# KiCad board ZSWatch-panelized.kicad_pcb (continued)
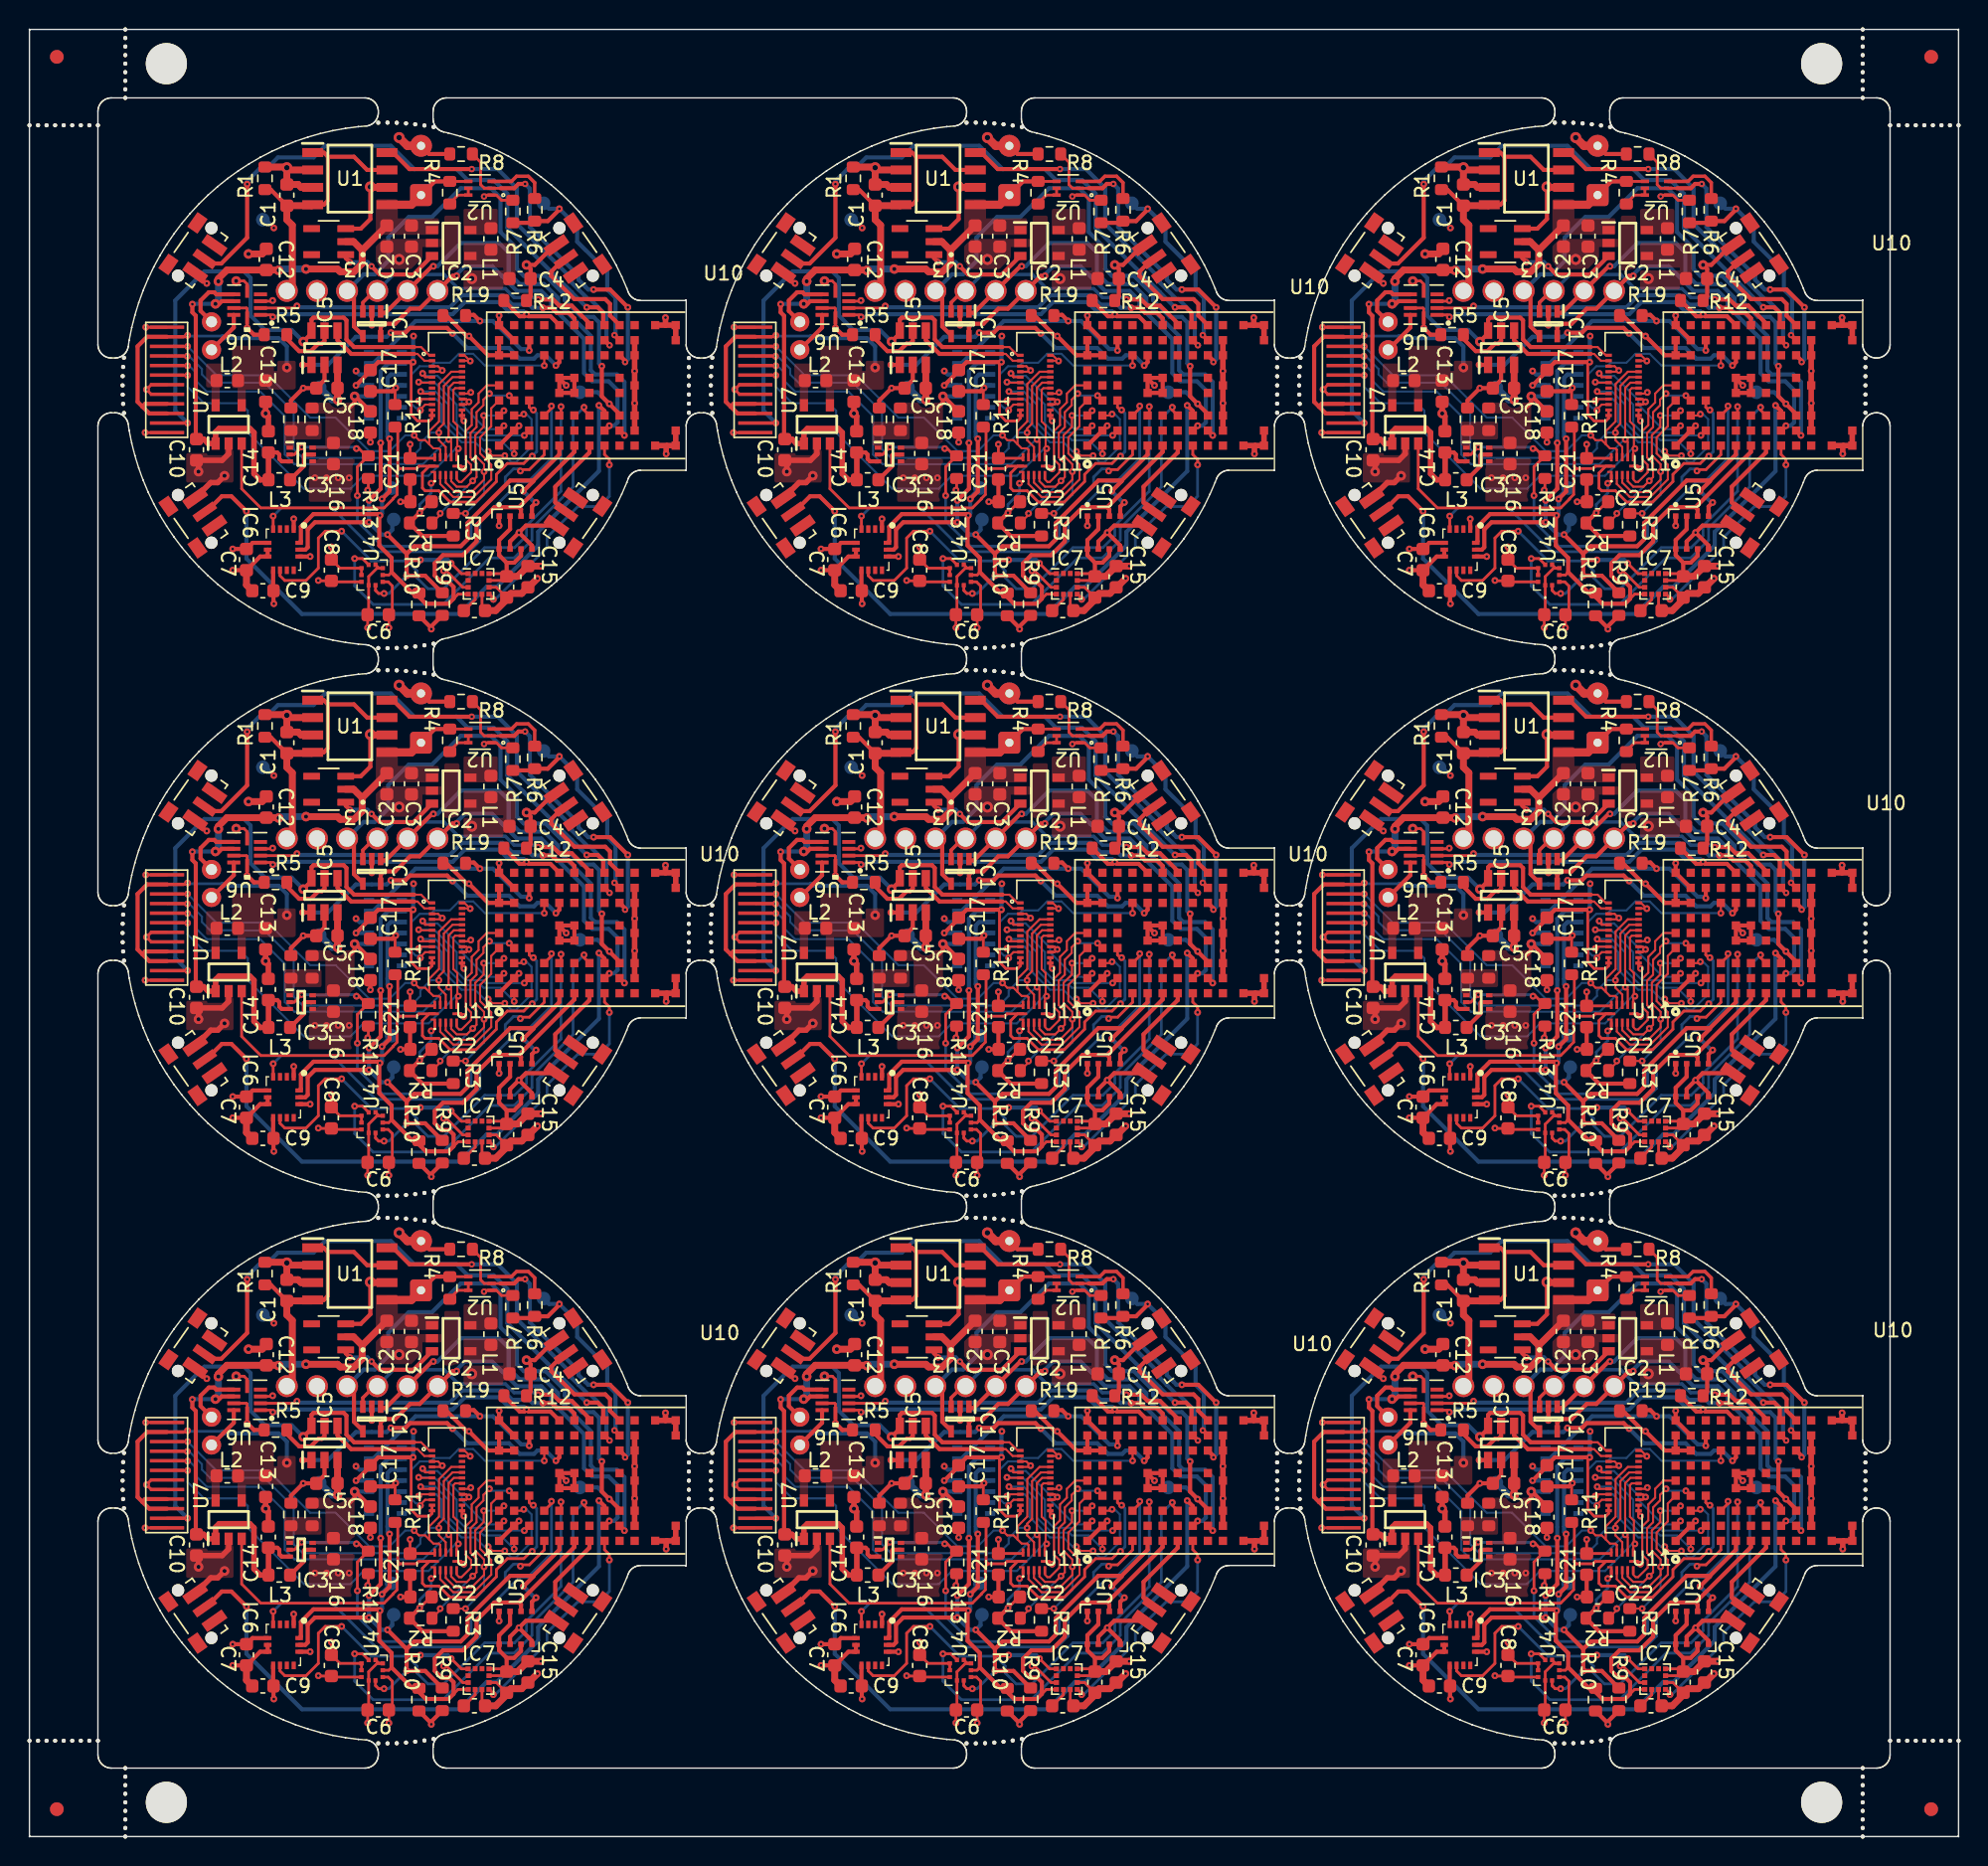
[diagram p0: board, top side]
## Routing (per net, layer and track width the routed paths; a pad name or vN(x,y) marks a point on that pad's centre or on a via; arc(x,y) is an arc through that point) (continued)
Board_7-BMP581_INT: length 30.7
  Top w0.2: v1(66.71,13.35) 67.28,13.35 U4#9.7 ; U10#3.G3 83.46,24.2 v1(83.46,24.4)
  Bottom w0.2: v1(66.71,13.35) 66.71,11.35 68.06,10 73.16,10 76.56,13.4 78.36,13.4 79.66,14.7 79.66,15.58 82.66,18.58 82.66,23.6 v1(83.46,24.4)
Board_7-BTN_1: length 45.4
  Top w0.3: v1(84.55,24.54) 84.95,24.13 U10#3.H3 ; S1.2 55.87,16.77 57.01,17.9 57.71,17.9 v1(58.81,16.8)
  Bottom w0.3: v1(84.55,24.54) 84.55,19.74 80.11,15.3 80.11,14.3 77.11,11.3 76.36,11.3 74.36,9.3 62.86,9.3 58.81,13.35 v1(58.81,16.8)
Board_7-BTN_2: length 8.8
  Top w0.3: U10#3.J9 85.36,31.1 85.36,31.95 85.01,32.3 82.76,32.3 81.06,34 81.06,34.3 81.99,35.23 S2#6.2
Board_7-BTN_3: length 42.5
  Top w0.3: S3#4.2 56.1,34.9 56.97,34.9 58.86,36.79 v1(58.86,40.7) ; v1(83.66,31.7) 84.46,31.7 84.86,31.3 84.86,30.5
  Bottom w0.3: v1(83.66,31.7) 83.65,31.7 82.56,32.79 82.56,32.8 79.06,36.3 79.06,36.31 77.86,37.51 77.86,40 76.86,41 74.96,41 74.16,41.8 71.06,41.8 69.36,43.5 64.56,43.5 63.71,42.65 61.11,42.65 60.26,41.8 59.74,41.8 58.86,40.92 v1(58.86,40.7)
Board_7-BTN_4: length 6.3
  Top w0.3: U10#3.G1 83.85,21.1 81.36,18.6 81.36,17.45 82.04,16.77 S4#6.2
Board_7-CHG: length 25.5
  Top w0.3: U1.8 69.51,43 70.71,41.8 v4(75.26,41.8) ; U10#3.H8 v4(85.33,28.93)
  Bottom w0.3: v4(75.26,41.8) 77.16,41.8 78.56,40.4 78.56,37.8 82.56,33.8 82.56,33.51 83.06,33.01 83.06,33 83.76,32.3 83.91,32.3 85.1,31.11 85.1,29.16 v4(85.33,28.93)
Board_7-DISPLAY_3V3: length 31.5
  Top w0.15: U13#6.24 74.73,28.2 v1(75.15,27.78) 75.13,27.8 U13#6.23 ; v1(75.19,25.49) 75.1,25.4 U13#6.17 ; 74.55,23.55 v1(74.69,23.41) ; U13#6.14 U13#6.13
  Top w0.2: v1(70.76,21.7) C21#5.2 72.48,20.67 U11#6.11 ; U13#6.13 74.55,23.55 ; U12.11 54.41,29.55 v1(54.51,29.65)
  Top w0.3: 51.21,24.45 51.71,23.95 U12.3 ; 51.21,24.45 50.86,24.8 50.86,28.85 51.56,29.55 U12.11 ; 51.21,24.45 51.41,24.65 U12.4
  Top w0.5: v3(65.46,24.95) C5#9.2 IC5#5.3
  Bottom w0.2: v1(54.51,29.65) 54.56,29.6 57.06,29.6
  Bottom w0.3: v3(61.76,27.3) 61.76,28.85 61.16,29.45 57.21,29.45 57.06,29.6
  Bottom w0.5: TP11#6.1 65.06,24.95 v3(65.46,24.95)
Board_7-DISPLAY_BLK: length 22.5
  Top w0.3: IC5#5.1 v1(62.91,27.5) ; v1(69.36,29.85) 70.41,29.85 70.76,30.2 73.46,30.2 v1(73.86,29.8) ; U10#3.E7 81.66,28.2 81.66,27.7 v1(81.41,27.45)
  Bottom w0.3: v1(69.36,29.85) 69.06,29.55 66.81,29.55 64.76,27.5 v1(62.91,27.5) ; v1(73.86,29.8) 74.93,28.73 77.98,28.73 78.76,27.95 79.81,27.95 80.06,28.2 80.66,28.2 v1(81.41,27.45)
Board_7-DISPLAY_CLK: length 11
  Top w0.15: U13#6.8 71.68,25.4 v1(71.53,25.55) ; v1(78.36,21) 78.36,21.6 U10#3.B1
  Bottom w0.15: v1(78.36,21) 77.36,22 76.13,22 75.92,22.2 74.66,22.2 73.56,23.3 73.56,24.6 72.6,25.55 v1(71.53,25.55)
Board_7-DISPLAY_CS: length 15.9
  Top w0.15: v1(79.06,23.9) 78.96,23.8 U10#3.B3 ; U13#6.9 71.52,25 v1(71.39,24.87) ; v1(76.46,21.18) 76.77,20.87 v1(77.67,20.87)
  Bottom w0.15: v1(79.06,23.9) 79.26,23.9 79.63,23.53 79.63,21.53 78.5,20.4 78.14,20.4 v1(77.67,20.87) ; v1(76.46,21.18) 76.18,21.18 75.51,21.85 74.52,21.85 73.06,23.31 73.06,24.6 72.66,25 71.52,25 v1(71.39,24.87)
Board_7-DISPLAY_DATA: length 11.6
  Top w0.15: U13#6.6 71.42,26.2 v1(71.38,26.24) ; v1(79.1,22.35) U10#3.C2
  Bottom w0.15: v1(79.1,22.35) 76.27,22.35 76.07,22.55 74.81,22.55 74.16,23.2 74.16,24.6 72.52,26.24 v1(71.38,26.24)
Board_7-DISPLAY_DC: length 9.3
  Top w0.15: U13#6.5 71.86,26.6 71.85,26.61 71.85,26.7 v1(71.67,26.87) ; v1(77.61,23.05) U10#3.A2
  Bottom w0.15: v1(77.61,23.05) 77.35,22.8 76.31,22.8 74.53,24.58 74.53,24.92 72.76,26.7 71.79,26.7 71.67,26.81 v1(71.67,26.87)
Board_7-DISPLAY_EN: length 40.3
  Top w0.2: v1(79.76,24.2) 79.66,24.2 79.45,24.4 U10#3.C4 ; 69.98,19.92 69.81,19.75 69.81,18.03 69.51,17.73 69.51,17.7 68.86,17.05 59.86,17.05 58.46,18.45 U7.3 ; 69.98,19.92 71.22,19.92 71.4,20.1 U11#6.12 72.16,20.1 71.66,19.6 71.66,18.5 71.86,18.3 72.86,18.3 73.68,17.47 75.56,17.47 77.06,18.97 77.06,19.5 77.86,20.3 79.06,20.3 79.59,20.83 v1(79.67,20.83) ; 69.98,19.92 69.86,20.05 69.86,22.75 R11.1
  Bottom w0.2: v1(79.67,20.83) 80,21.16 80,23.96 v1(79.76,24.2)
Board_7-DISPLAY_RST: length 15.5
  Top w0.15: v1(80.56,27.45) 80.56,28.2 U10#3.D7 ; v1(71.51,24.18) 71.6,24.27 71.6,24.34 71.86,24.6 U13#6.10
  Bottom w0.15: v1(71.51,24.18) 71.35,24.34 71.17,24.34 70.86,24.65 70.86,26.8 71.46,27.4 72.26,27.4 72.51,27.65 73.66,27.65 74.31,28.3 75.36,28.3 76.22,27.45 v1(80.56,27.45)
Board_7-DRV_VIB_EN: length 25.2
  Top w0.2: U6#8.1 60.58,31.15 v1(60.73,31)
  Top w0.3: R12#4.1 78.76,31.05 79.11,31.05 v1(79.26,31.2) 79.41,31.05 81,31.05 U10#3.E9
  Bottom w0.3: v1(60.73,31) 61.06,31 61.26,31.2 73.86,31.2 74.75,32.09 77.26,32.09 77.94,31.4 79.06,31.4 v1(79.26,31.2)
Board_7-DRV_VIB_PWM: length 24.6
  Top w0.2: U6#8.2 62.35,31.65 v1(62.5,31.8)
  Top w0.3: U10#3.F9 82.75,30.9 82.36,31.3 81.46,31.3 81.1,31.66 v1(80.46,31.66)
  Bottom w0.3: v1(62.5,31.8) 62.6,31.7 73.66,31.7 74.54,32.59 77.52,32.59 78.21,31.9 79.46,31.9 79.69,31.66 v1(80.46,31.66)
Board_7-GND: length 117.3
  Top w0.15: U13#6.15 74.86,24.6 v1(75.06,24.8) 74.86,25 U13#6.16 ; U13#6.3 72.8,27.4 v1(73.11,27.09) 73.01,27 U13#6.4
  Top w0.2: R7#3.2 77.43,39.52 77.06,39.9 U2.1 76.26,39.9 v4(76.16,39.8) ; C19#3.1 77.06,11.25 76.56,11.25 ; U11#6.6 74.48,20.1 v1(74.68,19.9) ; U6#8.5 58.86,33.4 58.63,33.63 v3(58.06,33.63) ; v1(65.01,14.2) C8#6.1 65.63,12.65 U4#9.8 U4#9.9 ; U6#8.8 58.81,31.65 58.86,31.6 U6#8.10 v1(58.86,30.2) ; R11.2 69.66,25.77 v1(69.71,25.82) ; C11#2.2 76.01,9.77 76.01,10.75 ; U12.5 51.86,25.35 v1(51.51,25.7) 51.86,26.05 U12.6 ; U4#9.3 69.16,11.65 69.46,11.35 69.46,9.5 C6#6.2 v1(69.21,8.3) ; v1(67.66,18.35) 67.71,18.4 R13.2 ; U12.12 v1(51.46,30.25) ; v1(60.72,32.2) 60.67,32.15 U6#8.3 ; U12.1 v1(51.41,22.55)
  Top w0.3: v1(58.86,30.2) 59.36,29.7 R5#4.1 ; R18#7.1 62.06,24.9 v1(62.96,25.8) C5#9.1 64.51,26.4 IC5#5.2 ; U5#4.1 v1(77.26,15.75) ; U10#3.B8 U10#3.A9 77.25,31.1 v1(77.26,31.1) ; R12#4.2 79.56,32.5 C4#2.2 79.56,34.5 v3(79.26,34.8) 79.86,34.8 81.3,36.24 S2#6.3 ; v1(70.06,17.5) C22#7.1 70.76,17.52 C21#5.1 ; U10#3.E5 U10#3.E4 U10#3.F4 U10#3.F5 U10#3.E5 ; U10#3.E5 81.65,26.5 v1(82.16,26) ; v1(55.91,33.45) 55.84,33.45 S3#4.3 ; C17#3.1 69.46,25.57 v1(69.71,25.82) ; 67.96,31.3 v1(67.96,30.4) ; v1(57.81,12.5) C7#5.2 59.81,13.5 IC6#9.7 IC6#9.6 ; v1(78.71,15.25) 79.22,15.76 S4#6.1 ; v1(78.71,15.25) 78.06,14.6 U5#4.7 ; v1(78.71,15.25) 79.66,14.3 U5#4.5 ; IC6#9.1 v1(62.26,16.25) ; C18#5.2 v1(67.86,21.85) ; v2(67.86,40.5) 67.86,38.15 67.16,37.45 U3#2.3 ; v1(78.71,23.05) U10#3.B2 U10#3.A1 ; BT1#8.2 72.16,42.9 R8#3.1
  Top w0.4: 89.41,30.4 v1(89.41,30.95) ; 89.41,30.4 U10#3.L9 ; 89.41,30.4 U10#3.M9 U10#3.M8 ; U10#3.L1 89.51,21.6 ; 89.51,21.6 89.46,21.55 v1(89.46,21) ; 89.51,21.6 U10#3.M1 U10#3.M2 ; v3(57.21,19.4) 56.71,18.9 56.19,18.9 S1.1 ; v3(55.31,19.7) 55.31,20.52 57.03,20.52 57.51,21 U7.2 ; U10#3.K2 U10#3.K3 87.15,24.7 v1(87.16,24.7) 87.15,24.7 U10#3.K5 v1(87.15,27.05) U10#3.K7 U10#3.K8 ; C14#3.2 60.41,23.75 v3(60.21,23.95) C13#6.2
  Top w0.5: v2(61.76,41.9) C1.2 62.58,40.67 62.79,40.46 U1.3 ; v2(61.76,41.9) 61.92,41.73 U1.2 ; v2(61.76,41.9) 61.71,41.95 R1#5.2 ; C9#7.1 58.81,11.42 C7#5.2 ; v3(58.96,35.6) 59.96,35.6 60.26,35.9 C12#9.1 ; U1.6 67.89,40.46 v2(67.86,40.5) ; v1(80.06,11.9) 79.41,11.25 C15#5.2 78.91,10.8 78.11,10.8 C19#3.1 77.81,10.35 77.01,9.55 C11#2.2
  Top w0.6: v2(69.96,44.1) 70.56,43.5 BT1#8.2
  Bottom w0.3: v1(69.71,25.82) 69.89,26 IC4.4 ; v1(66.81,27.05) 67.06,26.8 IC4.12
  vias: v1(63.81,19.25) v1(64.66,19.25) v1(65.51,19.25) v1(66.31,19.25) v2(69.96,35.2)
Board_7-INT1_LIS: length 31.2
  Top w0.2: v1(81.08,24.49) 81.08,24.32 U10#3.D3 ; IC6#9.4 v1(60.76,16.45)
  Bottom w0.2: v1(60.76,16.45) 61.36,17.05 65.06,17.05 68.26,13.85 75.06,13.85 75.86,14.65 75.86,16.05 78.76,18.95 79.36,18.95 81.08,20.67 v1(81.08,24.49)
Board_7-INT2_LIS: length 36.1
  Top w0.2: IC6#9.9 61.26,12.1 61.61,11.75 63.16,11.75 64.06,12.65 64.06,14.85 64.56,15.35 v1(65.76,15.35) ; U10#3.E3 81.78,23.92 v1(81.78,24.45)
  Bottom w0.2: v1(65.76,15.35) 67.93,13.17 70.53,13.17 71.26,12.45 71.26,11.95 72.06,11.15 73.21,11.15 76.21,14.15 78.38,14.15 79.26,15.02 79.26,15.75 81.78,18.27 v1(81.78,24.45)
Board_7-LEDK1: length 37.5
  Top w0.15: 71.06,28.8 71.56,28.8 72.16,28.2 U13#6.1
  Top w0.2: U12.2 v1(54.51,23.25)
  Top w0.3: 71.06,28.8 66.66,28.8 66.11,29.35 66.11,30.75 65.91,30.95 63.71,30.95 63.56,30.8 IC5#5.6 63.56,29.8 v3(62.96,29.2)
  Bottom w0.3: v1(54.51,23.25) 53.61,24.15 53.61,32.2 55.73,34.33 58.63,34.33 59.11,33.85 59.11,31.1 60.16,30.05 62.11,30.05 v3(62.96,29.2)
Board_7-LEDK2: length 8.2
  Top w0.15: U13#6.2 71.8,27.8 71.3,28.3 71.06,28.3
  Top w0.3: 71.06,28.3 66.46,28.3 65.46,29.3 IC5#5.4
Board_7-LIS2MDL_INT: length 16.4
  Top w0.2: 76.56,10.75 76.84,10.47 v1(76.84,10.37) ; U10#3.H1 84.95,20.95 85.31,20.6 v1(85.31,20.2)
  Bottom w0.2: v1(76.84,10.37) 76.98,10.37 80.76,14.15 80.76,14.9 83.01,17.15 84.56,17.15 85.31,17.9 v1(85.31,20.2)
Board_7-MAX30_INT: length 15.9
  Top w0.3: 74.81,31.15 75.41,31.15 v1(75.86,30.7) ; v1(79.46,28.55) 79.46,29.3 U10#3.C8
  Bottom w0.3: IC4.13 68.06,27.6 71.16,30.7 v1(75.86,30.7) 76.81,30.7 78.86,28.65 79.36,28.65 v1(79.46,28.55)
Board_7-RESET_N: length 42.1
  Top w0.3: v1(84.76,27.4) 84.76,25.2 v1(85.31,24.65) 86.05,23.9 U10#3.J3 ; 66.66,32.4 66.66,30.3 67.31,29.65
  Bottom w0.3: v1(84.76,27.4) 84.56,27.6 84.56,30.6 84.16,31 83.27,31 82.06,32.21 82.06,32.59 80.65,34 79.06,34 78.56,34.5 78.56,36 77.36,37.2 77.36,39.7 76.66,40.4 74.46,40.4 72.36,38.3 70.66,38.3 69.16,36.8 69.16,35.09 68.18,34.11 67.37,34.11 J2#4.4 ; TP12#4.1 84.46,25.5 v1(85.31,24.65)
Board_7-SCL_ANNA: length 56.6
  Top w0.2: v1(68.86,10.8) 68.46,10.8 68.23,11.02 U4#9.2 ; 74.96,12.25 74.51,12.25 v1(73.76,13)
  Top w0.3: 79.76,19.05 79.76,19 v1(79.03,18.27) ; 79.76,19.05 81.65,20.95 U10#3.E1 ; 79.76,19.05 78.06,19.05 74.96,15.95 74.96,14.76 74.45,14.25 71.06,14.25 70.51,13.7 ; U5#4.4 79.66,17.15 v1(79.96,17.45) ; R9#3.1 71.86,12.1 v1(70.51,12.1) 70.51,13.25 ; 70.51,13.25 71.51,13.25 v1(71.51,13.25) ; 70.51,13.25 70.51,13.7 ; v1(68.61,21.8) 68.61,18.45 v1(67.76,17.6) ; 70.51,13.7 v1(69.11,15.1) ; v1(67.76,16) 63.81,16 63.28,15.47 63.28,14.17 63.11,14 IC6#9.13
  Bottom w0.2: v1(68.86,10.8) 69.21,10.8 v1(70.51,12.1)
  Bottom w0.3: v1(79.03,18.27) 79.86,17.45 v1(79.96,17.45) ; v1(71.51,13.25) 73.51,13.25 v1(73.76,13) ; 69.46,16.2 69.46,15.45 v1(69.11,15.1) 68.66,15.1 v1(67.76,16) v1(67.76,17.6) ; v1(68.61,21.8) 68.61,27.05 69.16,27.6 IC4.2
Board_7-SDA_ANNA: length 51.2
  Top w0.2: U4#9.4 69.21,12.15 69.41,12.35 ; 73.93,10.42 74.26,10.75 74.96,10.75
  Top w0.3: 78.71,17.1 76.91,17.1 75.61,15.8 75.61,14.6 74.61,13.6 73.16,13.6 72.56,13 72.56,12.11 73.06,11.6 73.61,11.6 73.93,11.28 73.93,10.42 73.56,10.05 71.91,10.05 71.41,10.55 R10#2.1 70.93,10.82 69.41,12.35 69.41,13.4 68.51,14.3 68.51,16.45 v1(68.56,16.5) 68.46,16.6 63.7,16.6 62.78,15.68 62.78,14.62 IC6#9.14 ; 78.71,17.1 82.75,21.15 U10#3.F1 ; 78.71,17.1 78.86,16.95 U5#4.3 ; v1(68.71,17.7) 69.26,18.25 v1(69.26,22.1)
  Bottom w0.3: IC4.3 69.36,26.8 69.11,26.55 69.11,22.25 v1(69.26,22.1) ; TP10#5.1 68.71,17.8 v1(68.71,17.7) 68.71,16.65 v1(68.56,16.5)
Board_7-SWDCLK: length 31.1
  Top w0.3: v1(86.41,22.35) U10#3.J2 ; v1(72.46,34.7) 72.36,34.7 J2#4.2 68.96,31.3 68.61,31.3
  Bottom w0.3: v1(86.41,22.35) 86.41,26.25 85.86,26.8 84.26,26.8 83.96,27.1 83.96,29.61 81.56,32.01 81.56,32.39 80.54,33.4 78.76,33.4 77.96,34.2 77.96,35.7 77.26,36.4 74.46,36.4 72.76,34.7 v1(72.46,34.7)
Board_7-SWDIO: length 28.9
  Top w0.3: v1(85.31,23.05) U10#3.H2 ; 68.61,29.5 68.61,30.25 68.86,30.5 69.66,30.5 70.76,31.6 71.46,31.6 J2#4.1 73.86,34 v1(74.16,34)
  Bottom w0.3: v1(85.31,23.05) 85.66,23.05 85.91,23.3 85.91,25.65 85.26,26.3 84.05,26.3 83.46,26.89 83.46,29.4 81.06,31.8 81.06,32.18 80.34,32.9 78.55,32.9 77.46,33.99 77.46,34 76.76,34.7 74.76,34.7 74.16,34.1 v1(74.16,34)
Board_7-TOUCH_INT: length 12
  Top w0.15: U11#6.2 72.96,18.8 73.91,17.85 75.4,17.85 76.68,19.13 76.68,20.21 75.87,21.02 75.87,22.2 76.68,23.02 76.68,24.32 U10#3.A4
Board_7-TOUCH_RST: length 9.5
  Top w0.15: U10#3.A5 76.36,26 75.76,25.4 75.76,24.76 75.26,24.26 75.26,23.1 74.82,22.66 74.82,20.59 75.21,20.2 75.21,19.64 74.51,18.95 74.34,18.95 74.16,19.13
Board_7-TOUCH_SCL: length 15.9
  Top w0.15: U11#6.3 73.36,18.9 74.06,18.2 75.25,18.2 76.16,19.11 v1(76.16,19.7) 76.16,20.24 75.52,20.88 75.52,22.36 76.13,22.97 v1(76.13,23.8) ; v1(74.81,16.65) R3#5.1 ; v1(77.61,24.15) U10#3.A3
  Bottom w0.15: v1(76.16,19.7) 76.16,18 v1(74.81,16.65) ; v1(77.61,24.15) U10#3.A3 v1(76.13,23.8)
Board_7-TOUCH_SDA: length 15.9
  Top w0.15: U11#6.4 73.76,19 74.16,18.6 74.91,18.6 74.91,18.6 v1(75.33,19.03) 75.33,19.03 75.61,19.3 75.61,20.29 75.17,20.73 75.17,22.51 75.61,22.95 75.61,24.04 76.11,24.55 76.11,24.96 v1(76.55,25.4) ; v1(78,25.25) U10#3.B4 ; v1(72.96,16.65) 72.96,16.55 R2#3.1
  Bottom w0.15: v1(78,25.25) 76.7,25.25 v1(76.55,25.4) ; v1(72.96,16.65) 72.96,16.65 v1(75.33,19.03)
Board_7-UART_TX: length 19.7
  Top w0.25: IC1#7.3 67.31,32.05 68.16,32.9 J2#4.3
  Top w0.3: U10#3.G9 83.85,30.53 82.56,31.82 81.64,31.82 81.19,32.27 v1(80.11,32.27)
  Bottom w0.25: J2#4.3 69.56,34.1 73.24,34.1 74.28,33.06 77.72,33.06 78.36,32.42 79.97,32.42 v1(80.11,32.27)
Board_7-V_BAT: length 51.5
  Top w0.2: U2.4 R4#7.1
  Top w0.3: IC3#6.3 61.38,20.45 61.21,20.62 61.21,20.95 61.06,21.1 C14#3.1 ; R4#7.1 72.56,40.9 BT1#8.1 ; U6#8.7 57.01,32.15 56.81,31.95 v3(56.54,31.95) ; v1(54.86,31.93) 54.86,31.33 55.11,31.08 55.11,22.27 55.31,22.07 55.36,22.12
  Top w0.4: C14#3.1 60.42,21.09 L3#8.1 59.81,19.1 59.36,19.55 59.36,22.55 59.06,22.85 56.81,22.85 56.56,22.6 U7.1 56.01,21.75 55.68,22.07 55.31,22.07
  Top w0.5: v3(61.16,34.4) 61.13,34.42 C12#9.2 57.38,34.42 56.76,33.8 v3(56.76,33.6) ; 67.26,35.87 67.26,34.9 66.66,34.3 65.66,34.3 65.46,34.5 v3(63.16,34.5) ; 67.26,35.87 66.63,36.5 U3#2.2 ; 67.26,35.87 C2.2
  Top w0.6: U1.5 70.85,39.19 BT1#8.1
  Bottom w0.3: v1(54.86,31.93) 54.88,31.95 v3(56.54,31.95)
  Bottom w0.5: v3(56.76,33.6) 56.76,32.17 v3(56.54,31.95) ; v3(63.16,34.5) 61.26,34.5 v3(61.16,34.4)
Board_7-VBUS: length 20.9
  Top w0.3: 64.76,42.7 64.45,43 U1.1 ; 64.76,42.7 64.76,39.5 64.45,39.19 U1.4 ; 64.76,42.7 66.66,42.7 67.62,41.73 U1.7 ; R1#5.1 60.58,40.3 C1.1
  Top w0.5: J2#4.6 62.16,33.3 62.16,37.7 61.76,38.1 C1.1 63.58,39.12 U1.4
Board_8-5V_REG_EN: length 30.3
  Top w0.2: v1(121.77,19.75) 121.87,19.85 122.43,19.85 123.51,20.93 U10.D1 ; v1(109.8,21.38) 109.98,21.38 110.57,20.8 ; v1(109.87,17.95) 109.87,20.05 R13#5.1 ; v4(105.8,21.49) 105.26,20.95 IC3#8.2
  Bottom w0.2: v4(105.8,21.49) 109.69,21.49 v1(109.8,21.38) ; v1(121.77,19.75) 121.62,19.9 121.27,19.9 120.67,19.3 120.67,18.7 118.17,16.2 118.17,14.95 117.47,14.25 111.69,14.25 109.87,16.07 v1(109.87,17.95)
Board_8-+1V8: length 64
  Top w0.2: v1(115.26,18.85) 115.37,18.85 115.52,19 U11#4.1 ; 119.52,11.75 120.47,11.75 C19#7.2 120.57,12.25 119.52,12.25 ; U4#2.6 111.44,12.65 U4#2.5 111.3,12.65 110.69,12.04 U4#2.1 110.69,9.32 C6.1 v1(110.62,8.3) ; v1(113.94,27.7) 113.8,27.56 113.8,23.87 114.27,23.4 115.12,23.4 115.32,23.6 U13#9.12 115.32,24.18 ; v1(116.17,12.45) 116.37,12.45 117.57,11.25 117.92,11.25 ; v1(114.42,16.7) 115.22,17.5 C22#3.2 ; v1(107.02,11.75) 107.04,11.72 C8#8.2 108.04,11.65 U4#2.10
  Top w0.3: IC6#6.8 103.72,11.02 C9#4.2 103.74,10.07 v1(103.77,10.05) ; v1(109.77,26) 110.82,27.05 C17.2 111.39,27.7 v1(113.94,27.7) ; U5#9.2 121.02,15.5 120.22,14.7 U5#9.8 120.22,13.6 120.77,13.05 ; R3#6.2 114.62,15 R2#4.2 v1(114.42,16.7) ; U10.A7 119.42,28.2 v1(118.02,29.6) 117.87,29.6 116.37,31.1 R19#9.1 116.37,31.1 ; U10.A7 U10.A8 ; U10.A7 U10.B7 ; U5#9.6 121.82,13.55 121.32,13.05 120.77,13.05 ; 120.77,13.05 C19#7.2 ; IC6#6.5 102.22,14.5 C7#2.1 v1(100.77,14.05) ; R10#6.2 115.27,8.27 v1(115.27,8.2) 115.27,8.4 R9#4.2 ; IC6#6.12 v1(106.42,13.5)
  Top w0.5: v1(123.27,12.8) C15#4.1 121.57,12.05 C19#7.2
  Bottom w0.2: v1(115.26,18.85) 115.26,18.14 114.42,17.3 v1(114.42,16.7)
  Bottom w0.3: v1(113.94,27.7) 113.94,29.57 v1(113.97,29.6) ; TP8#4.1 103.17,38.1 v1(103.77,37.5) ; v1(109.77,26) IC4#5.11
  vias: v2(118.22,33.8)
Board_8-+5V: length 5
  Top w0.3: C18.1 109.72,25.2 v3(109.67,25.2) 109.67,24.75 109.32,24.4
  Bottom w0.3: IC4#5.9 110.47,24.4 v3(109.67,25.2) IC4#5.10
Board_8-/C1: length 1.6
  Top w0.2: C11#7.1 117.67,9.55 118.47,10.35 118.47,10.75
Board_8-/D2: length 4.7
  Top w0.25: R6#3.1 122.82,40.81 122.35,41.28 121.49,41.28 121.12,40.9 U2#5.3
Board_8-/G2: length 2.2
  Top w0.2: U2#5.5 U2#5.6 117.22,39.9 116.62,39.3 R4#4.2
Board_8-/ISET: length 4.5
  Top w0.3: IC5#6.5 107.47,29.25 107.27,29.05 107.02,29.05 106.47,28.5 105.62,28.5 104.72,29.4 R5.2
Board_8-/MOTOR_OUT+: length 3.2
  Top w0.3: M1#3.1 100.84,30.22 U6#2.9
Board_8-/MOTOR_OUT-: length 4.6
  Top w0.3: M1#3.2 98.42,31.44 98.42,32.2 99.02,32.8 99.42,32.8 99.57,32.65 U6#2.6
Board_8-/SW: length 2.9
  Top w0.3: L3#3.2 105.97,20.11 105.97,20.9 106.02,20.95 IC3#8.5
Board_8-/TOUCH_HIGH_INT-DC: length 31.4
  Top w0.15: 115.12,21.7 114.82,22 114.37,22 v1(114.02,22.35) ; 115.12,21.7 115.12,22.66 115.83,23.37 115.83,26.1 116.72,27 U13#9.21 ; 115.12,21.7 115.42,21.4 115.82,21.4 115.92,21.3 ; 115.92,21.3 115.89,21.32 ; 115.92,21.3 U11#4.10 ; v1(97.47,28.85) U12#5.10
  Bottom w0.15: v1(114.02,22.35) 113.37,22.35 112.22,21.2 110.73,21.2 108.28,23.65 106.42,23.65 103.32,26.75 99.57,26.75 97.47,28.85 v1(97.47,28.85)
Board_8-/TOUCH_HIGH_RST-SDA: length 33
  Top w0.15: U11#4.7 117.12,21.26 v1(117.24,21.38) ; 97.45,26.75 U12#5.7 ; 117.17,21.46 117.17,23.07 116.88,23.36 116.88,25.67 117.01,25.8 U13#9.18
  Bottom w0.15: v1(117.24,21.38) 117.05,21.38 115.07,19.4 110.32,19.4 109.37,18.45 105.97,18.45 101.87,22.55 101.87,24.15 101.32,24.7 98.67,24.7 97.47,25.9 v1(97.47,26.73)
Board_8-/TOUCH_HIGH_SCL-CS: length 32.9
  Top w0.15: U13#9.20 116.82,26.6 116.18,25.96 116.18,23.21 115.82,22.85 v1(115.82,22.55) 115.82,22 116.32,21.5 U11#4.9 ; v1(97.45,28.13) 95.99,28.13 U12#5.9
  Bottom w0.15: v1(115.82,22.55) 115.22,22.55 114.47,21.79 114.47,21.4 113.77,20.7 105.87,20.7 105.22,21.35 105.22,24.05 103.07,26.2 99.12,26.2 98.52,26.8 98.52,27.2 97.59,28.13 v1(97.45,28.13)
Board_8-/TOUCH_HIGH_SDA-SCL: length 32.6
  Top w0.15: U12#5.8 97.45,27.45 v1(97.47,27.43) ; U13#9.19 116.91,26.2 116.53,25.81 116.53,22.06 v1(116.54,22.05) 116.72,21.87 U11#4.8
  Bottom w0.15: v1(97.47,27.43) 97.59,27.43 98.07,26.95 98.07,26.35 98.87,25.55 102.77,25.55 104.57,23.75 104.57,20.95 105.27,20.25 114.67,20.25 116.46,22.05 v1(116.54,22.05)
Board_8-/~{RESET_BAT_SUP}: length 7.6
  Top w0.3: IC2#5.3 113.97,34.1 111.5,34.1 v4(110.9,34.7) ; v4(109.32,35) 109.02,35.3 U3#7.1
  Bottom w0.3: v4(109.32,35) 110.6,35 v4(110.9,34.7)
Board_8-BAT_MON: length 16.5
  Top w0.3: v4(128.64,29.67) U10.J8 ; R6#3.2 123.77,38 124.62,38.85 v1(124.62,38.9) ; R7.1 122.69,37.87
  Bottom w0.3: v4(128.64,29.67) 128.72,29.75 128.72,32.4 128.12,33 128.12,34.3 125.92,36.5 125.92,37.6 v1(124.62,38.9) 123.87,38.9 TP3#7.1
Board_8-BAT_MON_EN: length 23.8
  Top w0.2: 120.32,40.4 U2#5.2 119.14,40.4 118.87,40.67 118.87,42.3 R8#4.2
  Top w0.3: v1(129.62,31.7) 128.32,33 v1(127.12,33) ; v4(129.42,27.7) 129.42,27.8 U10.J7 ; 120.32,40.4 121.32,40.4 121.63,40.72 v4(122.12,40.72)
  Bottom w0.3: v1(129.62,31.7) 129.62,27.9 v4(129.42,27.7) ; v4(122.12,40.72) 122.46,40.37 122.46,37.56 126.02,34.01 126.02,33.71 126.52,33.21 126.52,33.21 126.72,33 v1(127.12,33)
Board_8-BMP581_INT: length 30.7
  Top w0.2: U4#2.7 110.24,13.35 v1(109.67,13.35) ; v1(126.42,24.4) 126.42,24.2 U10.G3
  Bottom w0.2: v1(109.67,13.35) 109.67,11.35 111.02,10 116.12,10 119.52,13.4 121.32,13.4 122.62,14.7 122.62,15.58 125.62,18.58 125.62,23.6 v1(126.42,24.4)
Board_8-BTN_1: length 45.4
  Top w0.3: U10.H3 127.91,24.13 v1(127.51,24.54) ; v1(101.77,16.8) 100.67,17.9 99.97,17.9 98.83,16.77 S1#9.2
  Bottom w0.3: v1(101.77,16.8) 101.77,13.35 105.82,9.3 117.32,9.3 119.32,11.3 120.07,11.3 123.07,14.3 123.07,15.3 127.51,19.74 v1(127.51,24.54)
Board_8-BTN_2: length 8.8
  Top w0.3: S2#3.2 124.95,35.23 124.02,34.3 124.02,34 125.72,32.3 127.97,32.3 128.32,31.95 128.32,31.1 U10.J9
Board_8-BTN_3: length 42.5
  Top w0.3: v1(126.62,31.7) 127.42,31.7 127.82,31.3 127.82,30.5 ; v1(101.82,40.7) 101.82,36.79 99.93,34.9 99.06,34.9 S3#5.2
  Bottom w0.3: v1(126.62,31.7) 126.61,31.7 125.52,32.79 125.52,32.8 122.02,36.3 122.02,36.31 120.82,37.51 120.82,40 119.82,41 117.92,41 117.12,41.8 114.02,41.8 112.32,43.5 107.52,43.5 106.67,42.65 104.07,42.65 103.22,41.8 102.7,41.8 101.82,40.92 v1(101.82,40.7)
Board_8-BTN_4: length 6.3
  Top w0.3: U10.G1 126.81,21.1 124.32,18.6 124.32,17.45 125,16.77 S4.2
Board_8-CHG: length 25.5
  Top w0.3: U1#8.8 112.47,43 113.67,41.8 v4(118.22,41.8) ; U10.H8 v4(128.29,28.93)
  Bottom w0.3: v4(118.22,41.8) 120.12,41.8 121.52,40.4 121.52,37.8 125.52,33.8 125.52,33.51 126.02,33.01 126.02,33 126.72,32.3 126.87,32.3 128.06,31.11 128.06,29.16 v4(128.29,28.93)
Board_8-DISPLAY_3V3: length 31.5
  Top w0.15: U13#9.14 U13#9.13 ; 117.51,23.55 v1(117.65,23.41) ; U13#9.24 117.69,28.2 v1(118.11,27.78) 118.09,27.8 U13#9.23 ; U13#9.17 118.06,25.4 v1(118.15,25.49)
  Top w0.2: U13#9.13 117.51,23.55 ; U12#5.11 97.37,29.55 v1(97.47,29.65) ; v1(113.72,21.7) C21#7.2 115.44,20.67 U11#4.11
  Top w0.3: 94.17,24.45 94.37,24.65 U12#5.4 ; 94.17,24.45 93.82,24.8 93.82,28.85 94.52,29.55 U12#5.11 ; 94.17,24.45 94.67,23.95 U12#5.3
  Top w0.5: v3(108.42,24.95) C5.2 IC5#6.3
  Bottom w0.2: v1(97.47,29.65) 97.52,29.6 100.02,29.6
  Bottom w0.3: v3(104.72,27.3) 104.72,28.85 104.12,29.45 100.17,29.45 100.02,29.6
  Bottom w0.5: v3(108.42,24.95) 108.02,24.95 TP11#8.1
Board_8-DISPLAY_BLK: length 22.5
  Top w0.3: v1(112.32,29.85) 113.37,29.85 113.72,30.2 116.42,30.2 v1(116.82,29.8) ; v1(124.37,27.45) 124.62,27.7 124.62,28.2 U10.E7 ; IC5#6.1 v1(105.87,27.5)
  Bottom w0.3: v1(112.32,29.85) 112.02,29.55 109.77,29.55 107.72,27.5 v1(105.87,27.5) ; v1(124.37,27.45) 123.62,28.2 123.02,28.2 122.77,27.95 121.72,27.95 120.94,28.73 117.89,28.73 v1(116.82,29.8)
Board_8-DISPLAY_CLK: length 11
  Top w0.15: U13#9.8 114.64,25.4 v1(114.49,25.55) ; U10.B1 121.32,21.6 v1(121.32,21)
  Bottom w0.15: v1(114.49,25.55) 115.56,25.55 116.52,24.6 116.52,23.3 117.62,22.2 118.88,22.2 119.09,22 120.32,22 v1(121.32,21)
Board_8-DISPLAY_CS: length 15.9
  Top w0.15: v1(119.42,21.18) 119.73,20.87 v1(120.63,20.87) ; v1(122.02,23.9) 121.92,23.8 U10.B3 ; U13#9.9 114.48,25 v1(114.35,24.87)
  Bottom w0.15: v1(114.35,24.87) 114.48,25 115.62,25 116.02,24.6 116.02,23.31 117.48,21.85 118.47,21.85 119.14,21.18 v1(119.42,21.18) ; v1(122.02,23.9) 122.22,23.9 122.59,23.53 122.59,21.53 121.46,20.4 121.1,20.4 v1(120.63,20.87)
Board_8-DISPLAY_DATA: length 11.6
  Top w0.15: U13#9.6 114.38,26.2 v1(114.34,26.24) ; v1(122.06,22.35) U10.C2
  Bottom w0.15: v1(122.06,22.35) 119.23,22.35 119.03,22.55 117.77,22.55 117.12,23.2 117.12,24.6 115.48,26.24 v1(114.34,26.24)
Board_8-DISPLAY_DC: length 9.3
  Top w0.15: v1(114.63,26.87) 114.81,26.7 114.81,26.61 114.82,26.6 U13#9.5 ; v1(120.57,23.05) U10.A2